# Altium PCB PCB1.PcbDoc (part 1 of 2) (continued)
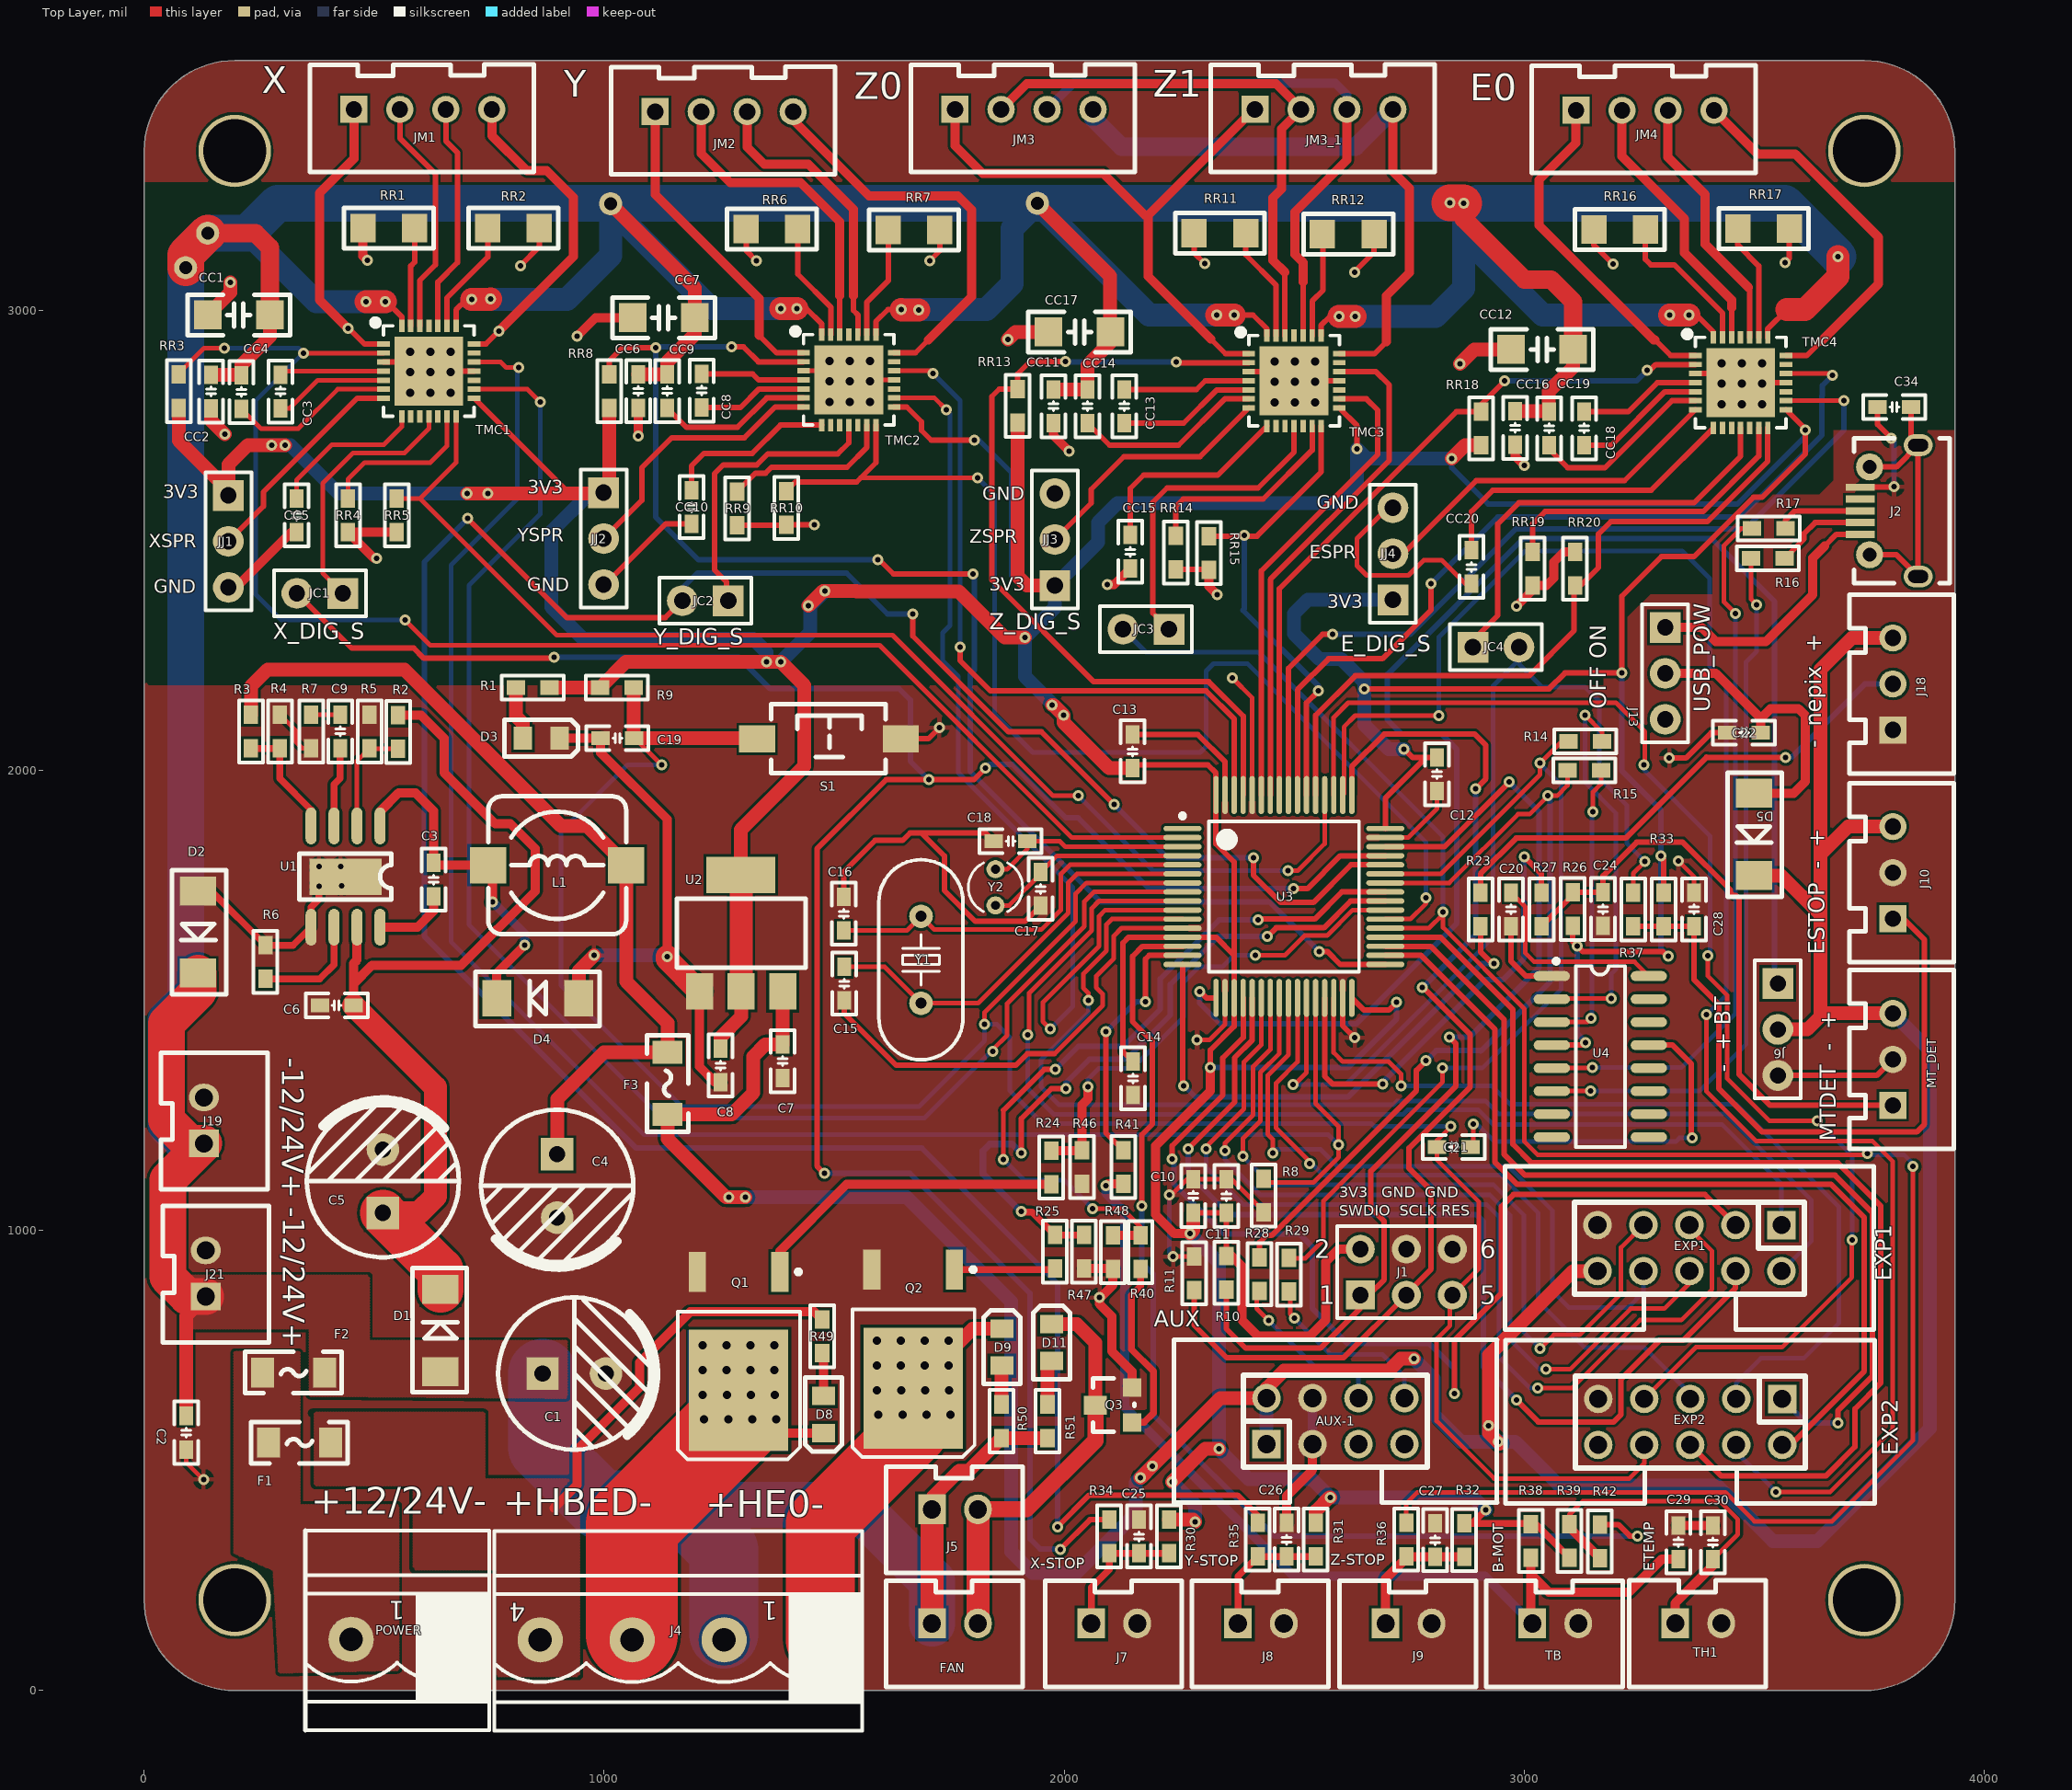
[diagram p0: Top Layer view]
## Footprints (in the part's own frame and the unit in brackets; to place one, negate y for a bottom-side part, rotate by r counter-clockwise, add the part's x,y. Pads: shape width x height; smd on the part's side, far side on the other; paste and mask are expansions set on the pad)
"C 0603_M" [mil] "无极性贴片电容"
  rect 40x30 smd: 1(-36.5,0) 2(36.5,0)
  silkscreen extent -68,-26 68,26, body extent -31,-16 31,16, height 32
"C 1206_M" [mil] "无极性贴片电容"
  rect 60x62.99 smd: 1(-67.5,0) 2(67.5,0)
  silkscreen extent -112,-44 112,44, body extent -63,-32 63,32, height 48
CDRH74 [mm] "7.3*7.3*4.5mm（长宽高）"
  rect 2x2 smd: 1(-3.81,0) 2(3.81,0)
  silkscreen extent -3.81,-3.81 3.81,3.81, body extent -3.65,-3.65 3.65,3.65, height 4.5
"CS 3.5*8*8 - C" [mm] "脚距3.5mm , 直径8mm , 高8mm"
  rect 1.8x1.8 hole 0.9: 1(1.75,0)
  round 1.8 hole 0.9: 2(-1.75,0)
  silkscreen extent -4.57,-4.2 4.2,4.2, body extent -4,-4 4,4, height 8.02
DC3-10P [mil]
  rect 62x62 hole 39.37: 1(-100,400)
  round 62 hole 39.37: 2(0,400) 3(-100,300) 4(0,300) 5(-100,200) 6(0,200) 7(-100,100) 8(0,100) 9(-100,0) 10(0,0)
  silkscreen extent -227,-201 127,601, body extent -242,-197 128,599, height 366
"FU 1206" [mil] "贴片保险丝"
  rect 50x65 smd: 1(-67.5,0) 2(67.5,0)
  silkscreen extent -105,-45 105,45, body extent -63,-32 63,32, height 34
HDR2.54-LI-2P [mm] "排针，2脚"
  rect 1.7x1.7 hole 0.9: 1(-1.27,0)
  round 1.7 hole 0.9: 2(1.27,0)
  silkscreen extent -2.54,-1.27 2.54,1.27, body extent -2.54,-1.27 2.54,1.27, height 8.5
HDR2.54-LI-2x3P [mm] "双排排针，3x2脚"
  rect 1.6x1.6 hole 0.9: 1(-2.54,-1.27)
  round 1.6 hole 0.9: 2(-2.54,1.27) 3(0,-1.27) 4(0,1.27) 5(2.54,-1.27) 6(2.54,1.27)
  silkscreen extent -3.81,-2.54 3.81,2.54, body extent -3.81,-2.54 3.81,2.54, height 8.5
HDR2.54-LI-3P [mm] "排针，3脚"
  rect 1.7x1.7 hole 0.9: 1(-2.54,0)
  round 1.7 hole 0.9: 2(0,0) 3(2.54,0)
  silkscreen extent -3.81,-1.27 3.81,1.27, body extent -3.81,-1.27 3.81,1.27, height 8.5
HX5.08-2L [mm]
  rect 2.5x2.5 hole 1.3: 1(0,0)
  round 2.5 hole 1.3: 2(5.08,0)
  silkscreen extent -2.54,-6 7.62,5, body extent -2.5,-5.5 7.5,2.5, height 11
HX5.08-4L [mm]
  rect 2.5x2.5 hole 1.3: 1(0,0)
  round 2.5 hole 1.3: 2(5.08,0) 3(10.16,0) 4(15.24,0)
  silkscreen extent -2.54,-6 17.78,5, body extent -2.5,-5.5 17.5,2.5, height 11
IDC_8P [mil]
  rect 62x62 hole 39.37: 1(0,0)
  round 62 hole 39.37: 2(0,100) 3(100,0) 4(100,100) 5(200,0) 6(200,100) 7(300,0) 8(300,100)
  silkscreen extent -201,-127 501,227
LQFP64_M [mm]
  oval 2.1x0.3 smd: 1(-5.6,3.75) 2(-5.6,3.25) 3(-5.6,2.75) 4(-5.6,2.25) 5(-5.6,1.75) 6(-5.6,1.25) 7(-5.6,0.75) 8(-5.6,0.25) 9(-5.6,-0.25) 10(-5.6,-0.75) 11(-5.6,-1.25) 12(-5.6,-1.75) 13(-5.6,-2.25) 14(-5.6,-2.75) 15(-5.6,-3.25) 16(-5.6,-3.75) 33(5.6,-3.75) 34(5.6,-3.25) 35(5.6,-2.75) 36(5.6,-2.25) 37(5.6,-1.75) 38(5.6,-1.25) 39(5.6,-0.75) 40(5.6,-0.25) 41(5.6,0.25) 42(5.6,0.75) 43(5.6,1.25) 44(5.6,1.75) 45(5.6,2.25) 46(5.6,2.75) 47(5.6,3.25) 48(5.6,3.75)
  oval 0.3x2.1 smd: 17(-3.75,-5.6) 18(-3.25,-5.6) 19(-2.75,-5.6) 20(-2.25,-5.6) 21(-1.75,-5.6) 22(-1.25,-5.6) 23(-0.75,-5.6) 24(-0.25,-5.6) 25(0.25,-5.6) 26(0.75,-5.6) 27(1.25,-5.6) 28(1.75,-5.6) 29(2.25,-5.6) 30(2.75,-5.6) 31(3.25,-5.6) 32(3.75,-5.6) 49(3.75,5.6) 50(3.25,5.6) 51(2.75,5.6) 52(2.25,5.6) 53(1.75,5.6) 54(1.25,5.6) 55(0.75,5.6) 56(0.25,5.6) 57(-0.25,5.6) 58(-0.75,5.6) 59(-1.25,5.6) 60(-1.75,5.6) 61(-2.25,5.6) 62(-2.75,5.6) 63(-3.25,5.6) 64(-3.75,5.6)
  silkscreen extent -5.72,-4.15 4.15,4.57
MP1584EN [mil]
  rect 78.74x157.48 smd: 0(110.24,-74.8)
  oval 80x24 smd: 1(0,0) 2(0,-50) 3(0,-100) 4(0,-150) 5(220,-150) 6(220,-100) 7(220,-50) 8(220,0)
  silkscreen extent 60,-175 160,25, body extent -8,-173 230,25, height 63
MY_2208 [mm]
  rect 3.8x3.8 smd paste-25.4: 0(0,0)
  rect 0.3x0.7 smd: 1(-1.5,-2.5) 2(-1,-2.5) 3(-0.5,-2.5) 4(0,-2.5) 5(0.5,-2.5) 6(1,-2.5) 7(1.5,-2.5) 15(1.5,2.5) 16(1,2.5) 17(0.5,2.5) 18(0,2.5) 19(-0.5,2.5) 20(-1,2.5) 21(-1.5,2.5)
  rect 0.7x0.3 smd: 8(2.5,-1.5) 9(2.5,-1) 10(2.5,-0.5) 11(2.5,0) 12(2.5,0.5) 13(2.5,1) 14(2.5,1.5) 22(-2.5,1.5) 23(-2.5,1) 24(-2.5,0.5) 25(-2.5,0) 26(-2.5,-0.5) 27(-2.5,-1) 28(-2.5,-1.5)
  silkscreen extent -2.78,-3.05 2.5,2.5
MY_XH2.54-2 [mil]
  oval 60x65 hole 39.37: 1(100.1,0)
  rect 60x65 hole 39.37: 2(0,0)
  silkscreen extent -100,-138 197,93, body extent -98,-142 198,94, height 276
my_XH2.54-2 [mil]
  oval 60x65 hole 39.37: 1(100.1,0)
  rect 60x65 hole 39.37: 2(0,0)
  silkscreen extent -100,-138 197,93, body extent -98,-142 198,94, height 276
myLed0805 [mil]
  rect 40x50 smd: A(0,0) K(80,0)
  silkscreen extent -40,-40 120,40, body extent 0,-25 80,25, height 43
myMicrousb [mm]
  rect 0.4x1.6 smd mask+0.127: 1(2.325,3.2) 2(2.975,3.2) 3(3.625,3.2) 4(4.275,3.2) 5(4.925,3.2)
  oval 1.2x1.6 hole 0.7 slot 1.1 at 90 deg: 6(0,0) 6(7.25,0)
  round 1.5 hole 0.75: 6(1.2,2.68) 6(6.05,2.68)
  silkscreen extent -0.38,-1.74 7.63,3.54
"OSC HC-49S" [mm]
  round 1.3 hole 0.6: 1(-2.4,0) 2(2.4,0)
  silkscreen extent -5.52,-2.32 5.52,2.33, body extent -5.52,-2.32 5.53,2.33, height 4.13
OSC-3x8-LI [mm] "脚距：2mm"
  round 1 hole 0.5: 1(1,0) 2(-1,0)
  silkscreen extent -1.34,-1.5 1.34,1.5, body extent -1.5,-1.5 1.5,1.5, height 9.1
"R 0603_M" [mil] "1/10W贴片电阻"
  rect 40x31.5 smd: 1(-36.5,0) 2(36.5,0)
  silkscreen extent -68,-26 68,26, body extent -31,-16 32,16, height 16
"R 1206_L" [mil] "1/4W贴片电阻"
  rect 55x62 smd: 1(-55.12,0) 2(57.09,0)
  silkscreen extent -96,-44 98,44, body extent -63,-31 63,32, height 22
SMA [mil] "DO-214AC(2010)"
  rect 63x78.74 smd: 1(-8,0) 2(170.56,0)
  silkscreen extent -53,-57 217,61, body extent -8,-52 174,54, height 94
SOP16 [mm] "SOP, 16-Leads, Body 9.90x3.90mm, Pitch 1.27mm, IPC Medium Density"
  oval 2x0.55 smd: 1(-2.667,4.445) 2(-2.667,3.175) 3(-2.667,1.905) 4(-2.667,0.635) 5(-2.667,-0.635) 6(-2.667,-1.905) 7(-2.667,-3.175) 8(-2.667,-4.445) 9(2.692,-4.445) 10(2.692,-3.175) 11(2.692,-1.905) 12(2.692,-0.635) 13(2.692,0.635) 14(2.692,1.905) 15(2.692,3.175) 16(2.692,4.445)
  silkscreen extent -2.55,-5 1.37,5.39, body extent -2.93,-4.98 2.98,5, height 1.45
SOT23 [mil]
  rect 40x40 smd: 1(75,0) 2(0,0)
  rect 40x50 smd: 3(37,80)
  silkscreen extent -20,-5 95,85, body extent -20,-12 94,99, height 47
SOT-223 [mil]
  rect 59x79 smd: 1(-88,-130) 2(2.55,-130) 3(93.1,-130)
  rect 150x79 smd: 4(1.88,123.54)
  silkscreen extent -137,-78 143,72, body extent -126,-139 130,135, height 67
TO252 [mm] "D-PAK  / SOT-428"
  rect 2.2x0.95 smd: 1(-4.4,2.28) 3(-4.4,-2.28)
  rect 6.7x5.5 smd: 2(2.15,0)
  silkscreen extent -4.52,-3.35 5.94,3.43, body extent -4.47,-3.3 4.78,3.3, height 2.31
"TSW SMD-3*6*2.5" [mm] "3*6*2.5mm"
  rect 2x1.5 smd: 1(-3.996,-0.02) 2(3.937,0)
  silkscreen extent -3.21,-1.9 3.09,1.9, body extent -4,-1.88 4,1.62, height 2.59
XH2.54-4 [mm]
  rect 1.5x1.5 hole 0.9: 1(0,0)
  round 1.5 hole 0.9: 2(2.54,0) 3(5.08,0) 4(7.62,0)
  silkscreen extent -2.44,-3.45 9.93,2.49, body extent -2.42,-3.38 9.98,2.37, height 7
XH_3P [mm]
  round 1.5 hole 0.9: 1(5.08,0) 2(2.54,0)
  rect 1.5x1.5 hole 0.9: 3(0,0)
  silkscreen extent -2.41,-3.38 7.47,2.39, body extent -2.41,-3.41 7.49,2.34, height 7

## Part data
C1 C4 C5 C24 C25 C26 C27 C28 CC1 CC7 CC12 CC17: library part C-CM, "贴片电解电容"
C2 C3 C6 C7 C8 C9 C10 C11 C12 C13 C14 C15 C16 C17 C18 C19 C20 C21 C22 C29 C30 C34 CC2 CC3 CC4 CC5 CC6 CC8 CC9 CC10 CC11 CC13 CC14 CC15 CC16 CC18 CC19 CC20: library part C, "无极性贴片电容"
D1 D2 D4 D5: library part ZENER2, "Zener Diode"
F1 F2 F3: library part fruse
J1: library part J_2X3
J7 J8 J9: library part Jx2
L1: library part L, "小功率贴片电感"
Q3: library part 8050-DIP, "高频放大-NPN型"
R1 R2 R3 R4 R5 R6 R7 R8 R9 R10 R11 R14 R15 R16 R17 R23 R24 R25 R26 R27 R28 R29 R30 R31 R32 R33 R34 R35 R36 R37 R38 R39 R40 R41 R42 R46 R47 R48 R49 R50 R51 RR1 RR2 RR3 RR4 RR5 RR6 RR7 RR8 RR9 RR10 RR11 RR12 RR13 RR14 RR15 RR16 RR17 RR18 RR19 RR20: library part R-I, "电流检测电阻"
U3: library part STM32_F103RC
Y1 Y2: library part XTAL, "Crystal Oscillator"

## Free pads (board coordinates)
  round 24 hole 12: 2(1307,1072) 3(1271,1072) 4(2192,488) 5(2166,462.72) 6(1384,2236) 7(306,2707) 8(277,2707) 9(702,2602) 10(747,2602) 11(1915,2289) 12(1444,2358) 13(1480,2390) 14(1999,2120) 15(1974,2142) 16(2944,541) 17(2923,576) 18(2761,721) ""(482,3019) ""(524,3019) ""(712,3024) ""(753,3025) ""(1384,3004) ""(1419,3004) ""(1646,3002) ""(1684,3001) ""(2332,2990) ""(2370,2990) ""(2598,2987) ""(2633,2987) ""(2839,3234) ""(2869,3233) ""(3317,2990) ""(3359,2990)
  round 50 hole 28: ""(90,3093) ""(138,3168) ""(1014,3232) ""(1942,3233)
  round 157.48 hole 137.8: ""(196.85,196.85) ""(196.85,3346.46) ""(3740.16,196.85) ""(3740.16,3346.46)

## Via types
v1: diameter 24, hole 12, Top Layer to Bottom Layer, 177 vias
v2: diameter 36, hole 18, Top Layer to Bottom Layer, 68 vias

## Nets (pads, with @x,y where several pads share a name; then routed paths per layer and width w, separated by ;. In a path a pad name is that pad's centre, name@x,y a point inside that pad or via, vN(x,y) a via of type N, cw(c..) or ccw(c..) an arc to the next point about the centre after c; other vN are vias at no path point)
3D_TOUCH: J6.1 U3.17 | length 3242.6
  Top Layer w12: v1(2295,1519) 2296,1519 2309.47,1505.53 U3.17@2330.36,1505.53
  Bottom Layer w12: v1(2295,1519) 2295,1494 2340,1449 2635,1449 2854,1668 2854,2046 2821,2079 2734,2079 2703,2110 2703,2209 2998,2504 3408,2504 3545,2367 3545,1544 J6.1@3552,1537
+3V3: C8.1 C10.2 C11.2 C12.2 C13.2 C14.2 J1.2 JJ1.1 JJ2.1 JJ3.1 JJ4.1 pad.6 pad.7 pad.8 pad.9 pad.10 pad.11 pad.12 pad.13 pad.14 pad.15 R1.2 R9.2 R10.1 R26.1 R30.2 R31.2 R32.2 R33.2 R38.1 R39.1 RR3.2 RR8.2 RR13.2 RR18.2 TMC1.15 TMC2.15 TMC3.15 TMC4.15 U2.2 U2.4 U3.13 U3.19 U3.32 U3.48 U3.64 U4.4 | length 17378.5
  Top Layer w12: TMC1.15@717.43,2808.94 922.37,2604 JJ2.1@999,2604 ; TMC2.15@1630.43,2789.94 1658.06,2789.94 1690,2758 1690,2739 1711,2718 v1(1805,2718) ; C13.2@2149,2005 2156,2012 2313,2012 2330.36,1994.64 U3.64@2330.36,1946.47 2330.36,1840.64 2369.73,1801.27 2369.73,1598.27 ; C14.2@2149.61,1367.21 2128,1388.82 2128,1625 2140.42,1637.42 U3.13@2257.53,1637.42 2330.58,1637.42 2369.73,1598.27 ; C10.2@2281,1038.5 2352.5,1038.5 C11.2@2353,1038 R10.1@2353,944 R10.1@2365,944 ; v1(2318,1354) 2318,1392 2369.73,1443.73 U3.19@2369.73,1505.53 2369.73,1598.27 ; TMC3.15@2598.43,2787.94 2637,2749.37 v1(2637,2699) ; U3.32@2625.64,1505.53 2652.17,1479 2706,1479 v1(2723,1496) ; v1(2653,2177.37) 3054.37,2177.37 3089,2212 v1(3213,2212) 3213,2379 3299,2465 3370,2465 3499,2594 3518,2594 3612,2688 v1(3612,2740) 3612,2742 3570.06,2783.94 TMC4.15@3569.43,2783.94 ; U3.48@2698.47,1873.64 2698.47,1939.47 2787.63,2028.63 ; v1(2739,2046) 2740,2046 2757.37,2028.63 2787.63,2028.63 ; C12.2@2817.63,2028.63 C12.2@2811.02,2028.63 2787.63,2028.63 ; U4.4@3060.35,1402.95 3128.95,1402.95 v1(3134,1408) ; R26.1@3106,1662 3106,1628 v1(3116,1618) 3128,1606 3302,1606 3314,1594 v1(3314,1596) ; v1(3298,1814) 3303.71,1808.29 R33.2@3303.71,1734.42
  Top Layer w15: R32.2@2870.08,363.27 2887.27,363.27 ; v1(2917,393) 2887.27,363.27 ; R39.1@3098.65,289.01 3026.16,361.5 R38.1@3015,361.5 3013.23,363.27 2887.27,363.27
  Top Layer w20: v1(2274,993) 2240,993 2199,1034 2199,1184 2318,1303 v1(2318,1354) ; R10.1@2365,944 2387,922 2387,805 2422,770 2534,770 2569,805 2569,932 2596.45,959.45 J1.2@2644.09,959.45
  Top Layer w30: RR3.2@75,2788 75,2717 JJ1.1@183,2609 ; JJ1.1@167,2598 JJ1.1@183,2598 JJ1.1@183,2609 ; pad.7@306,2707 pad.8@277,2707 225,2707 183,2665 JJ1.1@183,2609 ; pad.9@702,2602 pad.10@747,2602 997,2602 JJ2.1@999,2604 1011,2616 RR8.2@1011,2788 ; R1.2@880.87,2180.37 R9.2@991.59,2180.37 1047.22,2236 v1(1353,2236) pad.6@1384,2236 1435,2185 1435,2009 1297.16,1871.16 U2.4@1297.16,1773.15 ; C8.1@1253,1395 1253,1420 1297.83,1464.83 U2.2@1297.83,1519.61 ; pad.12@1444,2358 1476,2390 pad.13@1480,2390 1548,2390 1549,2389 1771,2389 1871,2289 pad.11@1915,2289 ; RR13.2@1899,2756 1899,2422 1919,2402 JJ3.1@1980,2402 ; pad.15@1974,2142 1977,2142 pad.14@1999,2120 1999,2104 2098,2005 C13.2@2149,2005 ; R30.2@2228.35,371.15 2280.85,371.15 v1(2285,367) ; v1(2235,454) 2307,526 v1(2337,526) v1@2337,525 ; v1(2274,993) 2281,1000 C10.2@2281,1038.5 ; R31.2@2547.24,364.34 2547.24,390.24 2577,420 v1(2579,420) ; v1(2843,2678) 2872,2707 RR18.2@2907,2707
  Top Layer w50: U2.4@1297.16,1773.15 1297.83,1772.48 U2.2@1297.83,1519.61
  Bottom Layer w12: v1(1805,2718) 1815,2718 1886,2647 1886,2423 1907,2402 JJ3.1@1980,2402 ; v1(2318,1354) 2617,1354 2723,1460 v1(2723,1496) v1@2722,1496 ; v1(2843,2678) 2843,2658 2922,2579 3464,2579 3612,2727 v1(3612,2740) ; v1(3116,1618) 3116,1428 3134,1410 v1(3134,1408) ; v1(3213,2212) 3213,1999 3298,1914 v1(3298,1814) 3298,1612 v1(3314,1596)
  Bottom Layer w30: pad.8@277,2707 pad.7@306,2707 318,2707 423,2602 pad.9@702,2602 pad.10@747,2602 pad.10@758,2602 ; JJ2.1@999,2604 970,2604 885,2519 885,2355 954,2286 1324,2286 1353,2257 v1(1353,2236) pad.6@1384,2236 1448,2300 pad.12@1448,2358 ; pad.12@1444,2358 pad.12@1448,2358 ; pad.13@1480,2390 pad.12@1448,2358 ; pad.14@1999,2120 1915,2204 pad.11@1915,2289 1980,2354 JJ3.1@1980,2402 2074,2496 2074,2539 2116,2581 2600,2581 2637,2618 v1(2637,2699) 2658,2678 v1(2843,2678) ; v1(2235,454) 2285,404 v1(2285,367) ; v1(2274,993) 2337,930 v1(2337,526) 2335,528 2335,526 2401,460 2539,460 v1(2579,420) 2890,420 v1(2917,393) ; JJ4.1@2715,2371 2530,2371 2500,2341 2500,2297 2555,2242 2603,2242 2653,2192 v1(2653,2177.37) 2653,2099 2706,2046 v1(2739,2046)
+12V: C5.1 C6.1 D1.2 R2.2 U1.7 | length 2042.8
  Top Layer w20: C6.1@455,1489 455,1536 ; U1.7@462.8,1659.24 462.8,1587.8 455,1580 455,1536 ; R2.2@552,2120 602,2120 652,2070 652,1995 763,1884 796,1884 850,1830 850,1737 689,1576 495,1576 455,1536
  Top Layer w50: C6.1@455,1489 633,1311 633,1074 597.2,1038.2 C5.1@519,1038.2
  Top Layer w100: C5.1@519,1038.2 644,913.2 D1.2@644,871.56
+12V0: F1.2 J4.4 R49.1 | length 842.6
  Top Layer w20: 891,397 941,447 941,523.13 1077,659.13 1077,713 1187,823 1457,823 R49.1@1474,806
+12V1: C1.1 C2.1 CC1.1 CC2.1 CC4.2 CC6.1 CC7.1 CC9.2 CC11.1 CC12.1 CC14.2 CC16.1 CC17.1 CC19.2 D1.1 D2.2 F2.2 FAN.2 J4.2 J5.2 J19.2 J21.2 pad.@90,3093 pad.@138,3168 pad.@482,3019 pad.@524,3019 pad.@712,3024 pad.@753,3025 pad.@1014,3232 pad.@1384,3004 pad.@1419,3004 pad.@1646,3002 pad.@1684,3001 pad.@1942,3233 pad.@2332,2990 pad.@2370,2990 pad.@2598,2987 pad.@2633,2987 pad.@2839,3234 pad.@2869,3233 pad.@3317,2990 pad.@3359,2990 R50.1 R51.1 TMC1.22 TMC1.28 TMC2.22 TMC2.28 TMC3.22 TMC3.28 TMC4.22 TMC4.28 | length 15833.8
  Top Layer w12: pad.@524,3019 527,3019 559.94,2986.06 TMC1.28@559.94,2966.43 ; TMC1.22@678.06,2966.43 678.06,3001.06 701,3024 pad.@712,3024 ; pad.@1419,3004 1440,3004 1472.94,2971.06 TMC2.28@1472.94,2947.43 ; TMC2.22@1591.06,2947.43 1591.06,2976.06 1617,3002 pad.@1646,3002 ; pad.@2370,2990 2411,2990 2440.94,2960.06 TMC3.28@2440.94,2945.43 ; TMC3.22@2559.06,2945.43 2559.06,2968.06 2578,2987 pad.@2598,2987 ; pad.@3359,2990 3375,2990 3411.94,2953.06 TMC4.28@3411.94,2941.43 ; TMC4.22@3530.06,2941.43 3530.06,2960.06 3572,3002
  Top Layer w30: C2.1@91,597 91,813.73 J21.2@133.86,856.59 ; CC2.1@145,2860 210,2860 CC4.2@211,2859 211,2881 273,2943 CC1.1@273,2990 CC1.1@283,3000 ; pad.@1014,3232 1197,3049 CC7.1@1197,2984 1197,2948 1137,2888 CC9.2@1137,2861 CC6.1@1074,2861 ; J5.2@1712.6,393.7 1712.6,418.6 1772,478 1793,478 R50.1@1864,549 R51.1@1964,549 ; pad.@1942,3233 2100,3075 2100,2954 CC17.1@2101,2953 2101,2931 2051,2881 CC14.2@2051,2828 CC11.1@1977,2828 ; CC16.1@2981,2781 3054,2781 3054,2824 3107,2877 CC12.1@3107,2915
  Top Layer w40: pad.@138,3168 242,3168 273,3137 CC1.1@273,2990 ; pad.@2869,3233 2869,3199 3001,3067 3059,3067 3107,3019 CC12.1@3107,2915
  Top Layer w50: pad.@482,3019 pad.@524,3019 ; pad.@712,3024 752,3024 pad.@753,3025 ; pad.@1384,3004 pad.@1419,3004 ; pad.@1646,3002 1647,3001 pad.@1684,3001 ; FAN.2@1712.6,145.67 J5.2@1712.6,393.7 ; pad.@2332,2990 pad.@2370,2990 ; pad.@2598,2987 pad.@2633,2987 ; pad.@3317,2990 pad.@3359,2990 ; 3572,3002 3611,3002 3683,3074 v1(3683,3117)
  Top Layer w80: pad.@90,3093 90,3120 pad.@138,3168 ; D2.2@117,1559.44 117,1519 48,1450 48,1240 99.02,1188.98 J19.2@129.92,1188.98 51,1110.05 51,899 93.41,856.59 J21.2@133.86,856.59 ; pad.@2839,3234 2868,3234 pad.@2869,3233
  Bottom Layer w30: pad.@1014,3223 pad.@1014,3232
  Bottom Layer w50: 225,3168 374,3019 pad.@482,3019 pad.@524,3019 ; pad.@712,3024 919,3024 1014,3119 1014,3223 1233,3004 pad.@1384,3004 pad.@1419,3004 ; pad.@1646,3002 1831,3002 1887,3058 1887,3178 pad.@1942,3233 2185,2990 pad.@2332,2990 pad.@2370,2990 ; pad.@2598,2987 pad.@2633,2987 2808,2987 2869,3048 2869,3162 ; pad.@2869,3233 2869,3162 ; pad.@3359,2990 pad.@3317,2990 3041,2990 2869,3162
  Bottom Layer w80: J19.2@129.92,1188.98 86.02,1188.98 47,1228 47,1459 90,1502 pad.@90,3093 90,3120 pad.@138,3168 225,3168 290,3233 pad.@1942,3233 pad.@2869,3233 ; 2898,3233 3567,3233 v1(3683,3117)
  Bottom Layer w100: 1162,404 1547,404 1712.6,238.4 FAN.2@1712.6,145.67
  Bottom Layer w150: C1.1@866.2,689 866.2,528.8 991,404 1162,404 1260.63,305.37 J4.2@1260.63,123
BEERPER: EXP1.1 U3.9 | length 2475.4
  Top Layer w10: v1(1921,1425) 1924,1428 1924,1516 2060,1652 2060,1700 2076.16,1716.16 U3.9@2257.53,1716.16
  Bottom Layer w10: v1(1921,1425) 1921,1309 1978,1252 2737,1252 2747,1262 2901,1262 2933,1230 3431,1230 3559.84,1101.16 EXP1.1@3559.84,1011.81
BTN_EN1: EXP2.3 U3.30 | length 1936.1
  Top Layer w10: U3.30@2586.27,1505.53 2586.27,1386.73 2606,1367 2706,1367 2733,1340 v1(2733,1314)
  Bottom Layer w10: v1(2733,1314) 2930,1314 2970,1274 3462,1274 3685,1051 3685,799 3608,722 3515,722 3461.42,668.42 EXP2.3@3461.42,633.86
BTN_EN2: EXP2.5 U3.26 | length 1568.5
  Top Layer w10: U3.26@2507.53,1505.53 2507.53,1366.53 2461,1320 2461,1223 2534,1150 v1(2534,1145)
  Bottom Layer w10: v1(2534,1145) 2539,1145 2564,1120 2949,1120 3031,1038 3031,846 3132,745 3262,745 3361.42,645.58 EXP2.5@3361.42,633.86
BTN_ENC: EXP1.2 U3.11 | length 2556
  Top Layer w10: v1(2053,1500) 2053,1516 2042,1527 2042,1558 2092,1608 2092,1665 2103.79,1676.79 U3.11@2257.53,1676.79
  Bottom Layer w10: v1(2053,1500) 2053,1474 1950,1371 1950,1312 1989,1273 2716,1273 2724,1281 2917,1281 2945,1253 3438,1253 3625,1066 3625,976.97 EXP1.2@3559.84,911.81
D+: R17.1 U4.5 | length 1552.6
  Top Layer w10: U4.5@3060.35,1352.95 3147.95,1352.95 v1(3149,1354) ; v1(3460,2341) 3435,2366 3435,2489 3472,2526 R17.1@3496,2526
  Bottom Layer w10: v1(3149,1354) 3342,1354 3460,1472 v1(3460,2341)
D-: R16.1 U4.6 | length 1535.4
  Top Layer w10: U4.6@3060.35,1302.95 v1(3145,1303) v1(3145,1303) ; R16.1@3494,2461 3494,2372 v1(3506,2360)
  Bottom Layer w10: v1(3145,1303) 3381,1303 3483,1405 3483,2236 3506,2259 v1(3506,2360)
E0_DIR: TMC4.19 U3.55 | length 1874.8
  Top Layer w10: TMC4.19@3569.43,2862.69 3667.31,2862.69 v1(3671,2859)
  Top Layer w12: U3.55@2507.53,1946.47 2507.53,2175.53 2575,2243 2692,2243 2798,2349 v1(2798,2406)
  Bottom Layer w12: v1(2798,2406) 2943,2551 3470,2551 3648,2729 3648,2813.94 3649,2814.94 3649,2837 v1(3671,2859)
E0_EN: RR18.1 TMC4.2 U3.57 | length 1564.3
  Top Layer w12: U3.57@2468.16,1946.47 2468.16,2395.16 2853,2780 RR18.1@2907,2780 2907,2796 v1(2958,2847) ; v1(3268,2870) 3274,2870 3286.37,2882.37 TMC4.2@3372.57,2882.37
  Bottom Layer w12: v1(2958,2847) 3245,2847 v1(3268,2870)
E0_STEP: TMC4.16 U3.56 | length 1886.1
  Top Layer w10: TMC4.16@3572.06,2804 v1(3696,2804)
  Top Layer w12: U3.56@2487.84,1946.47 2487.84,2221.84 2562,2296 v1(2584,2296)
  Bottom Layer w12: v1(2584,2296) 2753,2296 2982,2525 3481,2525 3696,2740 v1(3696,2804)
FAN: R40.2 R48.2 U3.41 | length 1612.3
  Top Layer w10: v1(1868,1154) 1868,1261 ; v1(2062,1047) 2127,1047 2166.42,1007.58 R40.2@2166.42,989.26
  Top Layer w12: 1868,1261 1957,1350 v1(1981,1350) ; v1(2422,1675) 2424,1677 2545,1677 2603.84,1735.84 U3.41@2698.47,1735.84
  Top Layer w20: R48.2@2106.3,989.26 R40.2@2166.42,989.26
  Bottom Layer w10: v1(1868,1154) 1869,1154 1914,1109 2001,1109 2063,1047 v1(2062,1047)
  Bottom Layer w12: v1(1981,1350) 2031,1400 2128,1400 2209,1481 2209,1547 2337,1675 v1(2422,1675)
FILAMENT: R27.2 U3.29 | length 1039.6
  Top Layer w12: U3.29@2566.58,1505.53 2566.58,1335.42 2584,1318 v1(2693,1318) ; v1(3001,1812) 3038.25,1774.75 R27.2@3038.25,1734.42
  Bottom Layer w12: v1@2692,1322 2915,1545 2954,1545 3000,1591 3000,1813 v1(3001,1812)
GND: AUX-1.3 AUX-1.4 C1.2 C2.2 C4.2 C5.2 C6.2 C7.2 C8.2 C10.1 C11.1 C12.1 C13.1 C14.1 C15.1 C16.1 C17.1 C18.1 C19.2 C20.1 C22.2 C24.2 C25.2 C26.2 C27.2 C28.2 C29.2 C30.2 C34.1 CC1.2 CC2.2 CC5.2 CC6.2 CC7.2 CC10.2 CC11.2 CC12.2 CC15.2 CC16.2 CC17.2 CC20.2 D2.1 D3.K D4.1 EXP1.9 EXP2.9 J1.4 J1.6 J2.5 J6.3 J7.1 J8.1 J9.1 J10.2 J18.3 J19.1 J21.1 JJ1.3 JJ2.3 JJ3.3 JJ4.3 MT_DET.2 POWER.1 Q1.3 Q2.3 Q3.1 R4.1 R5.1 R6.1 R7.1 R8.2 R11.1 R46.1 R47.1 R48.1 RR1.2 RR2.2 RR4.1 RR5.1 RR6.2 RR7.2 RR9.1 RR10.1 RR11.2 RR12.2 RR14.1 RR15.1 RR16.2 RR17.2 RR19.1 RR20.1 S1.2 TB.1 TH1.1 TMC1.0 TMC1.3 TMC1.18 TMC2.0 TMC2.3 TMC2.18 TMC3.0 TMC3.3 TMC3.18 TMC4.0 TMC4.3 TMC4.18 U1.0 U1.5 U2.1 U3.12 U3.18 U3.31 U3.47 U3.60 U3.63 U4.1 | length 10698.8
  Top Layer w10: C2.2@91,524 91,496 128,459 v1(129,459) ; R4.1@295,2121.5 329,2087.5 329,2063 343.68,2048.32 R7.1@362.98,2048.32 ; TMC2.3@1433.57,2868.69 1512.32,2868.69 TMC2.0@1532,2849 TMC2.18@1630.43,2849 ; 1979,1384 2084,1489 2084,1514 2070,1528 2070,1553 2108,1591 2108,1640 2125.1,1657.1 U3.12@2257.53,1657.1 ; v1(2229,1077) 2231,1075 2267.5,1111.5 C10.1@2281,1111.5 2352.5,1111.5 C11.1@2353,1111 2365,1111 2434,1042 R8.2@2434,1039.5 ; v1(2237,943) R11.1@2283,943 ; v1(2289,1414) 2315.96,1414 2350.05,1448.09 U3.18@2350.05,1505.53 ; v1(2366,2201) 2409.1,2157.9 U3.60@2409.1,1946.47 ; U3.47@2698.47,1853.95 2747.95,1853.95 2811.02,1917.02 C12.1@2811.02,1955.63 ; JJ4.3@2715,2571 2704,2571 2637,2504 2637,2445 2658,2424 2749,2424 2782,2457 2821,2457 2872,2406 CC20.2@2886,2406 ; v1(3336,1803) 3370.08,1768.92 C28.2@3370.08,1734.42
  Top Layer w12: TMC1.3@520.57,2887.69 599.32,2887.69 TMC1.0@619,2868 TMC1.18@717.43,2868 ; v1(818,3097) 859.09,3138.09 RR2.2@859.09,3179 ; JJ2.3@999,2404 1002,2404 1134,2536 CC10.2@1190,2536 ; RR9.1@1289,2533 1395,2533 RR10.1@1396,2534 v1(1457,2534) ; RR6.2@1308.91,3177 1308.91,3130.09 v1(1331,3108) ; C16.1@1521,1725 1521,1780 1589,1848 1649,1848 1665,1864 1690,1864 ; C15.1@1522,1500 1522,1472 1635,1359 1895,1359 1920,1384 1979,1384 ; S1.2@1645,2069 1705,2069 v1(1729,2093) ; v1(1708,3108) 1730,3130 RR7.2@1730,3175 ; C18.1@1847.5,1846 1829.5,1864 1690,1864 ; C17.1@1949,1706 1915,1672 1807,1672 1740,1739 1740,1814 1690,1864 ; C13.1@2149,2078 2291,2078 2350.05,2018.95 U3.63@2350.05,1946.47 ; RR14.1@2243,2437 2314.5,2437 RR15.1@2315,2436.5 ; RR11.2@2282.8,3168 2282.8,3125.2 v1(2306,3102) ; TMC3.3@2401.57,2866.69 2480.31,2866.69 TMC3.0@2500,2847 2502,2847 TMC3.18@2598.43,2847 ; U3.31@2605.95,1505.53 2605.95,1445.05 v1(2632,1419) ; v1(2632,3083) 2631,3084 2674,3127 RR12.2@2674,3166 ; C20.1@2971.88,1661.42 2971.88,1585.12 3004.05,1552.95 U4.1@3060.35,1552.95 ; RR16.2@3151.8,3176 3151.8,3142.2 3193,3101 v1(3194,3101) ; v1(3316,2027) 3352,2027 3407,2082 C22.2@3442,2082 ; TMC4.3@3372.57,2862.69 3451.31,2862.69 TMC4.0@3471,2843 3474,2843 TMC4.18@3569.43,2843 ; J6.3@3552,1337 3767,1337 MT_DET.2@3802,1372 ; v1(3568,3104) 3577,3113 RR17.2@3577,3178 ; J2.5@3731,2615.59 3803.59,2615.59 v1(3805,2617) ; C34.1@3769,2790 3769,2752 v1(3799,2722)
  Top Layer w15: D2.1@117,1738 146.02,1738 R6.1@263.78,1620.24 323.81,1620.24 U1.5@362.8,1659.24 362.8,1702.8 380,1720 v1(380,1748)
  Top Layer w20: JJ1.3@183,2398 200,2398 320,2518 CC5.2@331,2518 ; RR1.2@475.8,3179 475.8,3118.2 v1(485,3109) ; v1(505,2461) 500,2461 RR4.1@443,2518 RR5.1@549,2518 ; D3.K@903.36,2070.13 C19.2@992.65,2070.13 992.65,2038.35 1137,1894 v1(1137,1595) ; v1(941,2944) 981,2984 CC7.2@1062,2984 ; v1(1074,2727) CC6.2@1074,2788 ; U2.1@1207.28,1519.61 1207.28,1356.28 1241.55,1322 C8.2@1253,1322 ; CC11.2@1977,2755 1977,2728 v1(2011,2694) ; R47.1@2043.31,917.32 2105.23,917.32 2106.33,917.29 R48.1@2107.3,917.26 ; v1(2077,854) 2077,840 2104,813 2104,737 2148,693 Q3.1@2148,658 Q3.1@2144,662 ; v1@2082,857 2106.3,881.3 R48.1@2106.3,916.26 ; v1(2094,2404) 2109,2404 CC15.2@2144,2439 ; RR15.1@2315,2436.5 2315,2400 v1(2333,2382) ; C26.2@2484.25,364.34 2484.25,423.25 2540.16,479.16 AUX-1.3@2540.16,535.43 ; CC16.2@2981,2708 2981,2683 v1(3001,2663) ; v1(2984,2357) 3019,2392 RR19.1@3019,2402 3049,2402 3065,2418 3065,2453 3087,2475 RR20.1@3111,2475 ; C29.2@3335.65,359.01 3410.49,359.01 C30.2@3411,358.5
  Top Layer w30: CC1.2@138,2990 187,3039 v1(187,3061) ; CC2.2@145,2787 145,2761 v1(175,2731) ; D4.1@945,1505 945,1565 v1(978,1598) ; v1(1878,2937) 1894,2953 CC17.2@1966,2953 ; v1(2861,2884) 2892,2915 CC12.2@2972,2915
  Top Layer w50: v1(1137,1595) 1137,1589.88 U2.1@1207.28,1519.61
  Bottom Layer w10: v1(2229,1077) 2229,952 2237,944 v1(2237,943)
  Bottom Layer w12: v1(3799,2722) 3805,2716 v1(3805,2617)
  Bottom Layer w20: AUX-1.3@2540.16,535.43 AUX-1.4@2540.16,635.43
  Bottom Layer w30: v1(978,1598) 1134,1598 v1(1137,1595)
  other v1: 429,1749 380,1791 427,1791
  other v2: 3430,2796 3474,2796 3518,2796 2458,2800 2502,2800 2546,2800 1490,2801 1534,2801 1578,2801 578,2821 622,2821 666,2821 3430,2841 3474,2841 3518,2841 2458,2845 2502,2845 2546,2845 1490,2846 1534,2846 1578,2846 578,2866 622,2866 666,2866 3430,2885 3474,2885 3518,2885 2458,2889 2502,2889 2546,2889 1490,2890 1534,2890 1578,2890 578,2910 622,2910 666,2910
HEATER1: R25.2 R47.2 U3.40 | length 1531.7
  Top Layer w12: v1(1907,1168) 1907,1243 1972,1308 v1(2004,1308) ; v1(2442,1639) 2461,1658 2565,1658 2623.16,1716.16 U3.40@2698.47,1716.16
  Top Layer w15: v1(1907,1041) 1907,1040 1930.64,1040 R25.2@1980.32,990.32 R47.2@2043.31,990.32
  Bottom Layer w12: v1(2004,1308) 2004,1321 2055,1372 2135,1372 2231,1468 2231,1535 2335,1639 v1(2442,1639)
  Bottom Layer w15: v1(1907,1041) 1906,1041 1824,1123 1824,1173 1839,1188 1887,1188 v1(1907,1168)
HOTBED: R24.2 R46.2 U3.39 | length 1070.4
  Top Layer w10: v1(2416,1598) 2480,1598 2523,1641 2572.04,1641 2627.51,1696.47 U3.39@2698.47,1696.47
  Top Layer w20: R24.2@1972.44,1173.23 2038.23,1173.23 R46.2@2039,1174 2039,1273 2052,1286 v1(2052,1312.31)
  Bottom Layer w10: v1(2052,1312.31) 2052,1329 2075,1352 2148,1352 2260,1464 2260,1539.96 2293.04,1573 2344,1573 2369,1598 v1(2416,1598)
LCD_D4: EXP1.5 U3.22 | length 2144.9
  Top Layer w10: v1(2309,1177) 2309,1182 2391,1264 2391,1366 2428.79,1403.79 U3.22@2428.79,1505.53 ; v1(3030,657) 3104,657 3252,805 3342,805 3409,872 3409,955 3359.84,1004.16 EXP1.5@3359.84,1011.81
  Bottom Layer w10: v1(2309,1177) 2309,1137 2390,1056 2919,1056 2946,1029 2946,724 3013,657 v1(3030,657)
LCD_D5: EXP1.6 U3.23 | length 1854.1
  Top Layer w10: v1(2350,1173) 2350,1190 2411,1251 2411,1356 2448.47,1393.47 U3.23@2448.47,1505.53 ; v1(3048,698) 3100,698 3232,830 3305,830 3359.84,884.84 EXP1.6@3359.84,911.81
  Bottom Layer w10: v1(2350,1173) 2350,1154 2427,1077 2926,1077 2970,1033 2970,762 3034,698 v1(3048,698)